# Altium PCB OpenRec.PcbDoc (part 2 of 4)
Units mm, origin at the board's own origin, x right, y up, seen from the top; angles counter-clockwise.
Board outline 70 x 95 mm, 10 copper layers (L1, L2, L3, L4 (PWR), L5 (PWR), L6 (PWR), L7 (PWR), L8, L9, L10), stack 1.632 mm thick; 1080 components, 708 nets, 3831 pads, 534 vias.
Unrouted connection lines stored in the file: 2907.
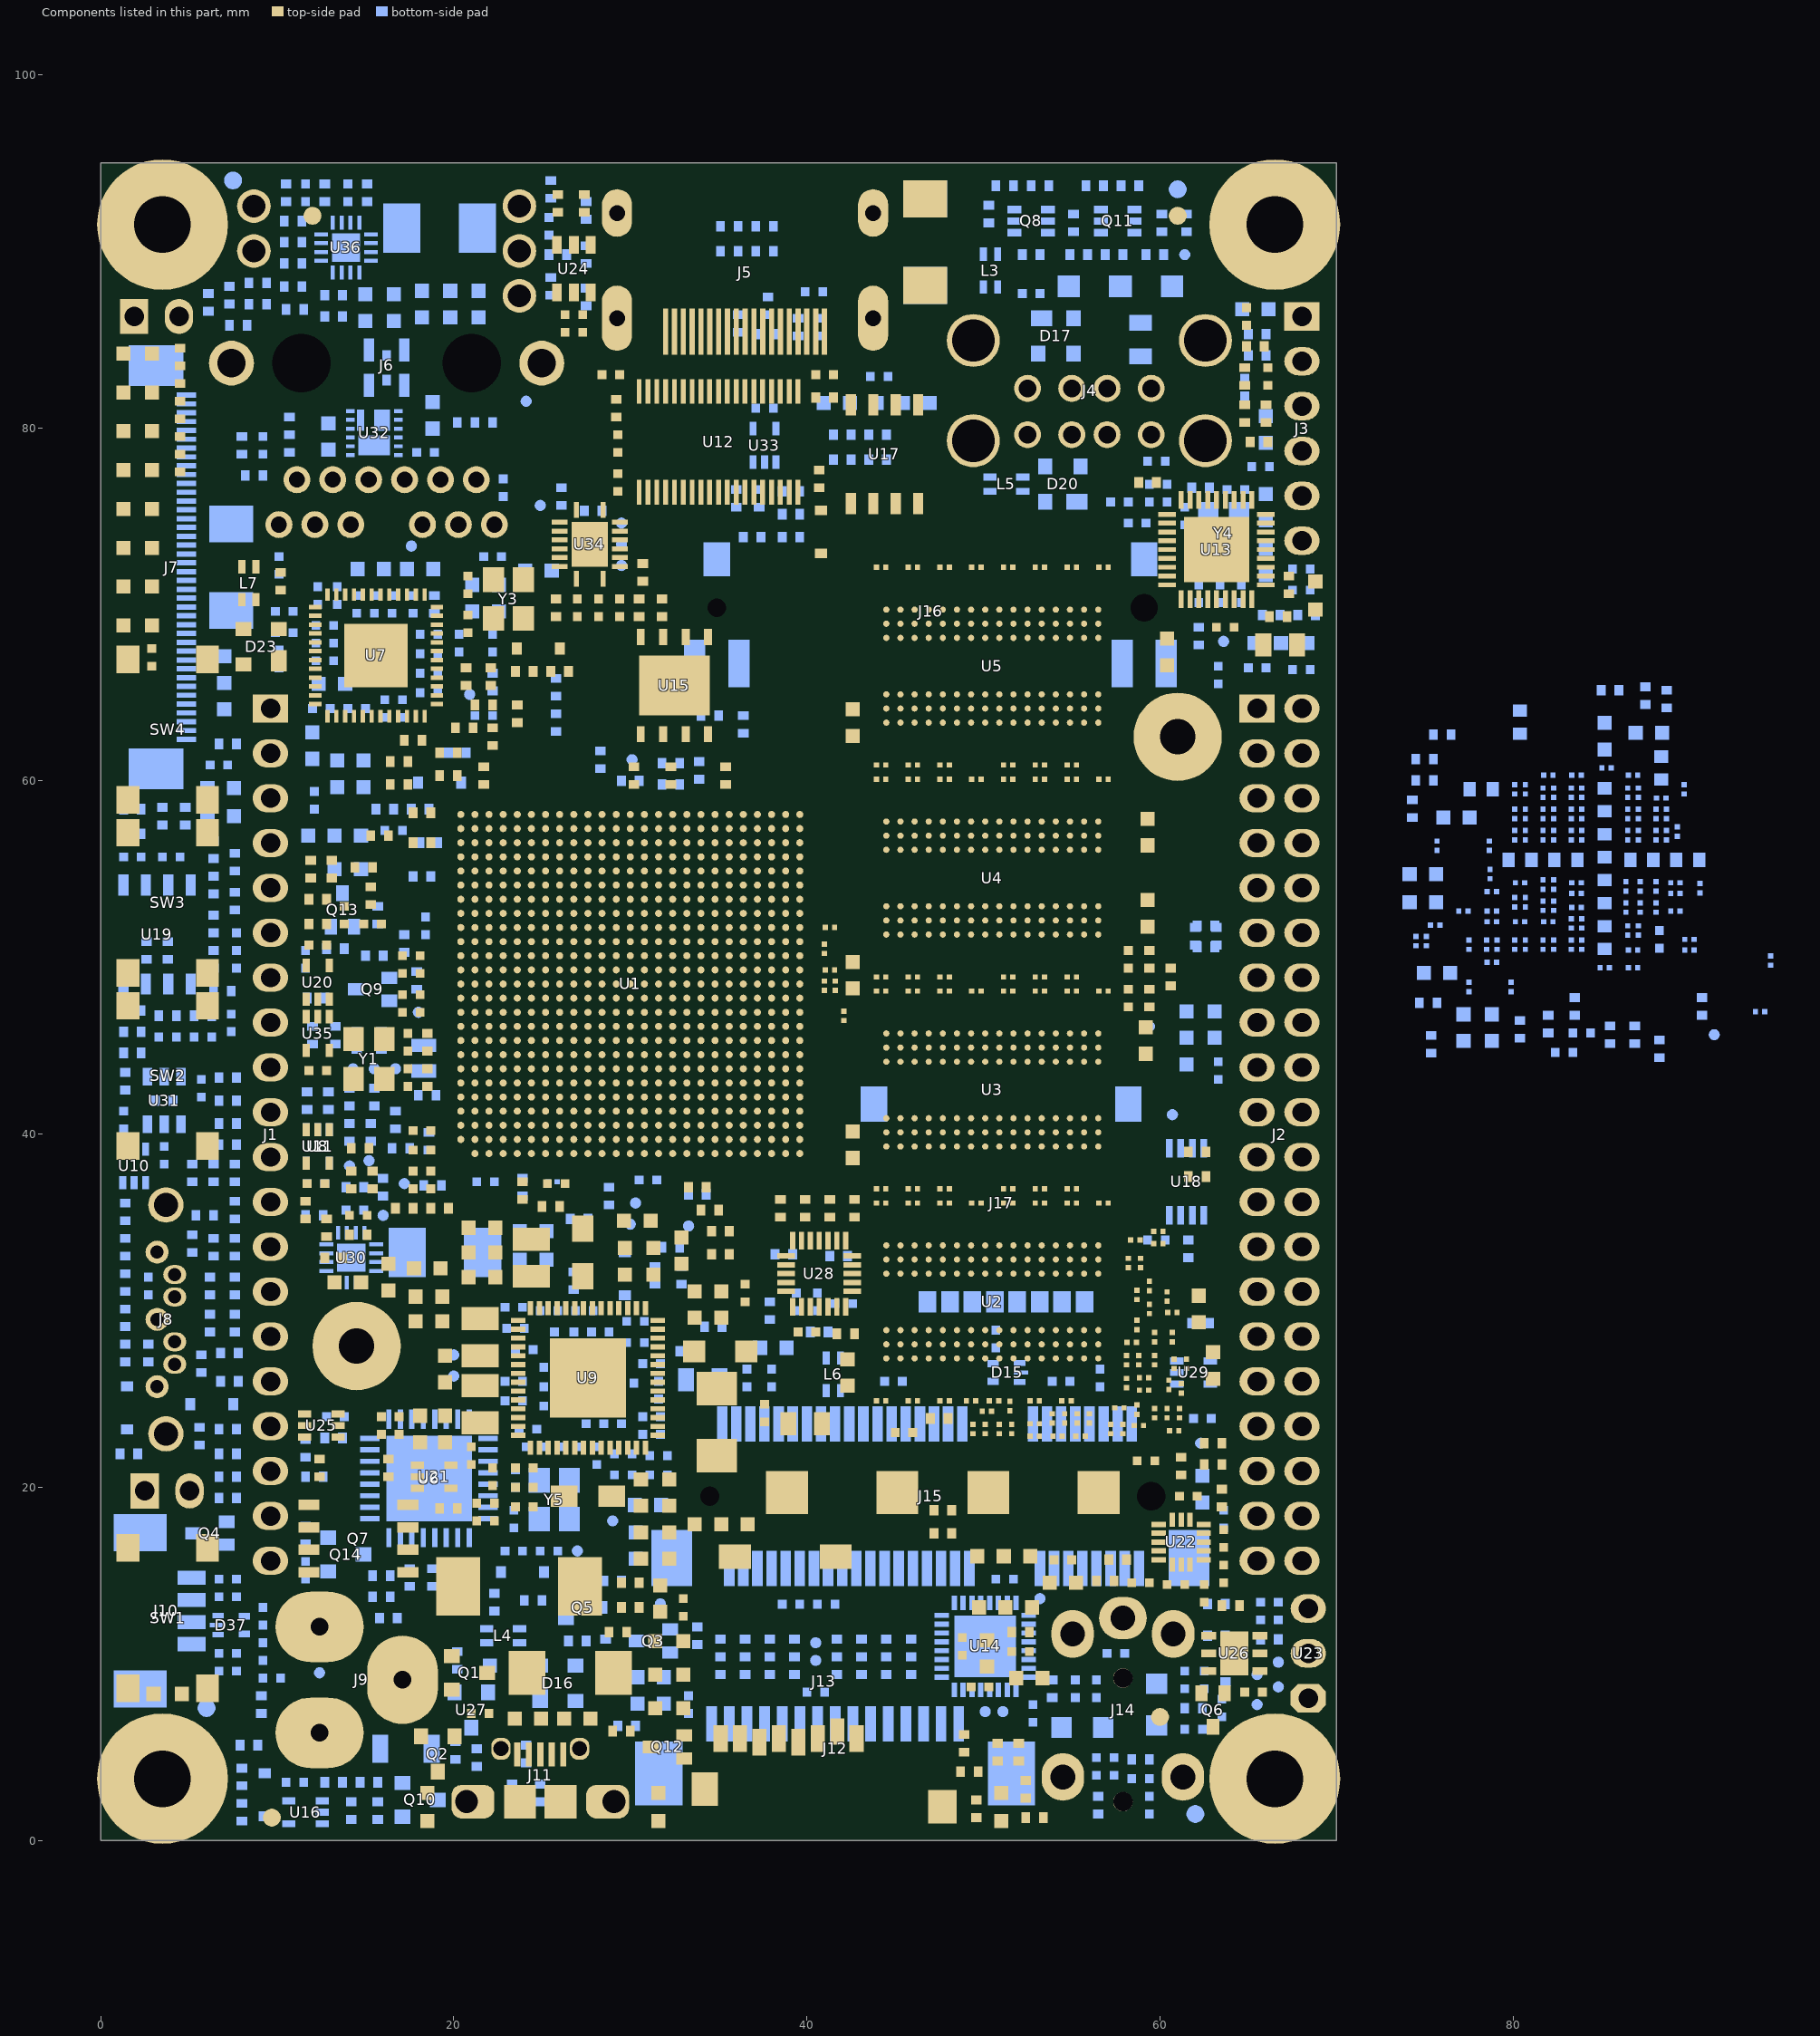
[diagram p4: the components of this part, seen from the top]

## Components (designator, comment, footprint, x,y, rotation, side; value= is the part's Value field where it differs from the comment) (continued)
C384 "100n" C0402 29.4,69.8 r90 top
C385 "100n" C0402 21,21.8 r90 top
C386 "100n" C0402 12.2,37.2 r180 top
C387 "4u7" C0402 63.6,18.2 r270 bottom
C388 "100n" C0402 58.9,14.6 r180 top
C389 "100n" C0402 62.5,14 r270 top
C390 "220n" C0402 63.6,17.1 r90 top
C391 "4u7" C0402 60.9,14.5 r180 top
C392 "100n" C0402 58.2,49.9 r270 top
C393 "100n" C0402 58.2,47.7 r270 top
C394 "1u" C0402 65.7,13 r90 bottom
C395 "100n" C0402 13.3,24 r180 bottom
C396 "10n" C0402 26.8,86.4 r0 top
C397 "4u7" C0402 1.8,55.7 r180 bottom
C398 "100n" C0402 63.6,15.1 r270 top
C399 "100n" C0402 61.6,19.5 r0 top
C400 "1u" C0402 39.4,30.5 r90 bottom
C401 "100n" C0402 40.6,30.5 r90 bottom
C402 "100n" C0402 42.1,30.4 r0 bottom
C403 "100n" C0402 40,28.8 r180 top
C404 "10n" C0402 36.5,31 r90 top
C405 "100n" C0402 62.4,23.9 r180 bottom
C406 "22u" C0603 14,31.6 r180 top
C407 "22u" C0603 16.3,31.9 r90 top
C408 "22u" C0603 24.5,32.9 r0 bottom
C409 "22u" C0603 24.5,34.5 r0 bottom
C410 "22pF" C0402 14.6,35.4 r0 top
C411 "220pF" C0402 14.4,35.7 r180 bottom
C412 "100n" C0402 5.7,42.6 r270 bottom
C413 "100n" C0402 1.3,40.8 r270 bottom
C414 "100n" C0402 37.6,81.1 r180 bottom
C415 "18p" C0402 61.4,75 r270 bottom
C416 "100n" C0402 64.9,86.3 r90 top
C417 "100n" C0402 28.2,69.8 r270 top
C418 "100n" C0402 27,69.8 r270 top
C419 "10u" C0603 14,55 r0 bottom
C420 "100n" C0402 10.1,66.9 r90 bottom
C421 "10uF / 16V" C0805 58.9,85 r270 bottom
C422 "100n" C0402 64.8,82.3 r90 bottom
C423 "100n" C0402 12.3,43.6 r180 top
C424 "22u" C0603 21.6,31.9 r180 top
C425 "22u" C0603 18.5,32.4 r180 top
C426 "22u" C0603 19.5,26.7 r90 top
C427 "22u" C0603 15,86.8 r270 bottom
C428 "22u" C0603 16.6,86.8 r270 bottom
C429 "22u" C0603 21.4,87 r270 bottom
C430 "22u" C0603 19.8,87 r270 bottom
C431 "22u" C0603 18.2,87 r270 bottom
C432 "22pF" C0402 14,93.3 r90 bottom
C433 "220pF" C0402 11.6,93.3 r270 bottom
C434 "22u / 10V" C0603 34.4,31.1 r180 top
C435 "100n" C0402 31.2,24 r180 bottom
C436 "2u2" C0402 31.2,23 r180 bottom
C437 "1u" C0402 24,20 r180 top
CR1 "Mini PCIe Card" "MINI_PCIE_FULL CARD" 32,19.5 r90 bottom
CR2 "Micro SD Card" MICRO_SD_CARD 42.9,13.25 r0 top
CR3 "Micro SIM Card" MICRO_SIM_CARD 44.5,30.8 r0 bottom
D1 "Red" LED_0603 2.1,84.2 r180 top
D2 "Red" LED_0603 2.1,82 r180 top
D3 "Red" LED_0603 2.1,79.8 r180 top
D4 "PGB1010603MR" C0603 66,79.9 r270 bottom
D5 "Red" LED_0603 2.1,75.4 r180 top
D6 "Red" LED_0603 2.1,73.2 r180 top
D7 "Red" LED_0603 2.1,71 r180 top
D8 "PGB1010603MR" C0603 66,75.5 r270 bottom
D9 "S8MC-13" SMC 23.7,14.4 r180 top locked
D10 "RB751V-40-TP" SOD323 24.8,67.5 r180 top
D11 "Green" LED_0603 32.2,11.3 r0 top
D12 "Orange" LED_0603 68.8,70.5 r270 top
D13 "BAT54HT1G" SOD323 40.8,74.1 r270 top
D14 "Orange" LED_0603 51,1.9 r270 top
D15 "BZA956A,115" SOT665 51.3,26.5 r180 bottom
D16 "BGX50AE6327" SOT143 25.9,8.9 r0 bottom
D17 "BGX50AE6327" SOT143 54.1,85.2 r270 bottom
D18 "MBR140SFT1G" SOD-123FL 35.1,27.7 r180 top
D19 "PGB1010603MR" C0603 27,6.9 r0 top
D20 "BGX50AE6327" SOT143 54.5,76.8 r90 bottom
D21 "Orange" LED_0603 31.6,1.9 r270 top
D22 "Green" LED_0603 3.8,8.3 r180 top
D23 "BGX50AE6327" SOT143 9.1,67.6 r180 top
D24 "Orange" LED_0603 18.5,1.9 r270 top
D25 "Green" LED_0603 32.2,9.4 r0 top
D26 "Green" LED_0603 32.2,7.5 r0 top
D27 "RB751V-40-TP" SOD323 9.3,2.6 r90 bottom
D28 "RB751V-40-TP" SOD323 29.7,32.1 r270 bottom
D29 "RB751V-40-TP" SOD323 6.3,24.7 r180 bottom
D30 "MBR140SFT1G" SOD-123FL 56.3,88 r180 bottom
D31 "PGB1010603MR" C0603 66,72.4 r270 bottom
D32 "PGB1010603MR" C0603 65.4,86.7 r180 bottom
D33 "Red" LED_0603 2.1,77.6 r180 top
D34 "Red" LED_0603 2.1,68.8 r180 top
D35 "RB751V-40-TP" SOD323 19.2,59.9 r0 bottom
D36 "RB751V-40-TP" SOD323 23.9,15.2 r0 bottom
D37 "BZA956A,115" SOT665 7.4,12.2 r0 bottom
D38 "MBR140SFT1G" SOD-123FL 59.2,88 r0 bottom
D39 "RB751V-40-TP" SOD323 1.5,24.5 r270 bottom
FB1 "220R, 2.5A" C0603 77.188,46.029 r90 bottom
FB2 "220R, 2.5A" C0603 22.8,9.9 r0 bottom
FB3 "BLM18KG101TN1D" C0603 12,62 r90 bottom
FB4 "BLM18KG101TN1D" C0603 18.1,72 r180 bottom
FB5 "BLM15AX601SN1D" C0402 22.2,67.8 r90 bottom
FB6 "BLM18KG101TN1D" C0603 13.4,60.4 r90 bottom
FB7 "BLM18KG101TN1D" C0603 24.8,71.9 r180 bottom
FB8 "BLM15AX300SN1D 30R / 1.1A" C0402 21.7,63.7 r180 bottom
FB9 "220R, 2.5A" C0603 54.5,14.6 r0 top
FB10 "220R, 2.5A" C0603 31,19 r180 bottom
FB11 "MPZ1608S601A 600OHM/1A" C0603 52,13.2 r0 top
FB12 "MPZ1608S601A 600OHM/1A" C0603 50.2,10.6 r90 top
FB13 "MPZ1608S601A 600OHM/1A" C0603 50.4,16.1 r180 top
FB14 "220R, 2.5A" C0603 30.4,8.5 r90 bottom
FB15 "120R, 1.3A" C0402 9.7,9.2 r0 bottom
FB16 "220R, 2.5A" C0603 6.8,58 r180 bottom
FB17 "220R, 2.5A" C0603 34.4,17.9 r0 top
FB18 "BLM15AX601SN1D" C0402 56.4,8.6 r90 bottom
FB19 "MPZ1608S601A 600OHM/1A" C0603 60.4,67.3 r90 top
FB20 "MPZ1608S601A 600OHM/1A" C0603 50.5,13.2 r0 top
FB21 "BLM15AX601SN1D" C0402 61.4,9.1 r90 bottom
FB22 "BLM15AX601SN1D" C0402 58.9,3.5 r0 bottom
FB23 "MPZ1608S601A 600OHM/1A" C0603 43.2,81.4 r180 bottom
FB24 "MPZ1608S601A 600OHM/1A" C0603 46.2,81.4 r0 bottom
FB25 "120R, 1.3A" C0402 7.7,10.1 r90 bottom
FB26 "MPZ1608S601A 600OHM/1A" C0603 51.9,16.1 r0 top
FB27 "120R, 1.3A" C0402 7.7,14.3 r270 bottom
FB28 "120R, 1.3A" C0402 11.6,15.3 r270 bottom
FB29 "BLM15AX601SN1D" C0402 25.4,16.4 r180 bottom
FB30 "BLM15AX601SN1D" C0402 23.4,16.4 r0 bottom
FB31 "220R, 2.5A" C0603 67.6,67.8 r0 bottom
FB32 "220R, 2.5A" C0603 66.1,67.8 r180 bottom
FB33 "MPZ1608S601A 600OHM/1A" C0603 62.4,19.9 r270 bottom
FB34 "220R, 2.5A" C0603 7,64.8 r270 bottom
FB35 "220R, 2.5A" C0603 7,66.3 r90 bottom
FB36 "MPZ1608S601A 600OHM/1A" C0603 38.1,27.9 r0 bottom
FB37 "220R, 2.5A" C0603 35.9,17.9 r180 top
FB38 "MPZ1608S601A 600OHM/1A" C0603 41.7,81.4 r0 bottom
FB39 "220R, 2.5A" C0603 61.5,46.2 r90 bottom
FB40 "220R, 2.5A" C0603 12.5,56.9 r180 bottom
FB41 "220R, 2.5A" C0603 61.5,44.7 r270 bottom
FB42 "220R, 2.5A" C0603 14,56.9 r0 bottom
FB43 "BLM15AX601SN1D" C0402 7.7,50.9 r270 bottom
FB44 "BLM15AX601SN1D" C0402 7.7,49.9 r90 bottom
FID1 "FID_1MM_SMALL" FID_40X52D#1 10,1 r0 top
FID2 "FID_1MM_SMALL" FID_40X52D#2 60,7 r90 top
FID3 "FID_1MM_SMALL" FID_40X52D#2 61,92 r90 top
FID4 "FID_1MM_SMALL" FID_40X52D#2 12,92 r90 top
FID5 "FID_1MM_SMALL" FID_40X52D#3 5.5,7.5 r90 bottom
FID6 "FID_1MM_SMALL" FID_40X52D#2 62,1.5 r90 bottom
FID7 "FID_1MM_SMALL" FID_40X52D#2 7.5,94 r90 bottom
FID8 "FID_1MM_SMALL" FID_40X52D#2 61,93.5 r90 bottom
J1 "ESQ-120-14-G-S" ESQ-120-14-G-S 9.62,64.1 r0 top locked
J2 "ESQ-120-14-G-D" ESQ-120-14-G-D 65.5,64.1 r180 bottom locked
J3 "HDR 1x6, 2.54mm" HDR_1X6_2.54MM 68.04,86.3 r0 top
J4 "5787617-1" USB-2A 56,82.1 r0 top locked
J5 "47151-0001" "HDMI V1.1" 36.5,88.8 r90 top locked
J6 "L829-1J1T-43" L829-1J1T-43 16.2,84.8 r0 top locked
J7 "4-1734592-0" 4-1734592-0 4,72.1 r90 bottom locked
J8 "0471554001" SATA_VERTICAL 3.2,25.7 r270 top locked
J9 "PJ-002AH" POWER_JACK_5.5_2.1MM_NS_V1.1 12.4,12.1 r180 top locked
J10 "0532610471" 0532610471 3.7,13 r180 bottom locked
J11 "USB MICRO AB" USB_MICRO_AB 24.9,2.2 r90 top locked
J12 "1-84952-5" ZIF_RA_BOTTOM_15X1MM 41.6,5.2 r180 bottom locked
J13 "693071010811" 693071010811 41,9 r180 top locked
J14 "FC68125" FC68125 57.9,12.6 r90 top locked
J15 "MM60-52B1-E1-R650" MINI_PCIE_52PIN_CARD_CON 59.5,19.5 r90 bottom locked
J16 "MM60-EZH059-B5-R650" MINI_PCIE_52PIN_CARD_LATCH 59.1,69.8 r90 bottom locked
J17 "693022010811" SIM_MICRO_HINGED 51,36.1 r180 bottom locked
JP1 "HDR 1x2" HDR_1X2_2.54MM 2.5,19.8 r90 top
JP2 "HDR 1x2" HDR_1X2_2.54MM 1.9,86.3 r90 top locked
L1 "1u / 3.9A" IHLP_118MILX144MIL 27.3,33.3 r90 top
L2 "1u / 3.9A" IHLP_118MILX144MIL 27.6,19.5 r0 top
L3 "ACM2012-900-2P-T002" ACM2012 50.4,88.9 r90 bottom
L4 "ACM2012-900-2P-T002" ACM2012 22.8,11.6 r180 bottom
L5 "ACM2012-900-2P-T002" ACM2012 51.3,76.8 r180 bottom
L6 "ACM2012-900-2P-T002" ACM2012 41.5,26.4 r90 bottom
L7 "ACM2012-900-2P-T002" ACM2012 8.4,71.2 r90 top
L8 "1u / 2.6A" IFSC_79MILX98MIL 24.4,33 r270 top
L9 "1u / 2.6A" IFSC_79MILX98MIL 21.5,28.5 r90 top
L10 "1u / 2.6A" IFSC_79MILX98MIL 21.5,24.7 r270 top
L11 "2u2 / 2.75A" IHLP_160MILX175MIL 34.9,23.7 r90 top
L12 "1u" IHLP_204MILX216MIL 19.5,33.3 r0 bottom locked
L13 "1u" IHLP_204MILX216MIL 19.2,91.3 r0 bottom
MH1 "MH_7.4MMC_3.2MMD" MH_7.4MMD_3.2MMD 3.5,3.5 r0 top locked
MH2 "MH_7.4MMC_3.2MMD" MH_7.4MMD_3.2MMD 66.5,3.5 r0 top locked
MH3 "MH_7.4MMC_3.2MMD" MH_7.4MMD_3.2MMD 66.5,91.5 r0 top locked
MH4 "MH_7.4MMC_3.2MMD" MH_7.4MMD_3.2MMD 3.5,91.5 r0 top locked
MH5 "MH_5MMC_2MMD" MH_5MMD_2MMD 14.5,28 r0 top locked
MH6 "MH_5MMC_2MMD" MH_5MMD_2MMD 61,62.5 r0 top locked
Q1 "DMP2035U-7" SOT-23-3-123 20.9,9.5 r0 top
Q2 "DMP2035U-7" SOT-23-3-123 19.1,4.9 r270 top
Q3 "2N7002BKW,115" SC70_SOT323 31.3,11.3 r180 bottom
Q4 "2N7002BKW,115" SC70_SOT323 6.2,17.4 r180 bottom
Q5 "2N7002BKW,115" SC70_SOT323 27.3,13.2 r0 bottom
Q6 "2N7002BKW,115" SC70_SOT323 63,7.4 r270 top
Q7 "SI4425BDY-T1-E3" 8_SOIC_3.9MM 14.6,17.1 r0 top
Q8 "2N7002BKS,115" SOT363 52.7,91.7 r0 bottom
Q9 "2N7002BKW,115" SC70_SOT323 15.4,48.2 r180 bottom
Q10 "MMBT3906,215" SOT-23-3-123 18.1,2.3 r0 bottom
Q11 "2N7002BKS,115" SOT363 57.6,91.7 r0 bottom
Q12 "2N7002BKW,115" SC70_SOT323 32.1,5.3 r180 top
Q13 "2N7002BKW,115" SC70_SOT323 13.7,52.7 r90 bottom
Q14 "MMBT3906,215" SOT-23-3-123 13.9,16.2 r0 bottom
R1 "47R" R0201 60.4,24.2 r270 top
R2 "47R" R0201 57.9,23.3 r90 top
R3 "47R" R0201 60.7,28.5 r270 top
R4 "240R" R0201 49.6,36.1 r0 top
R5 "240R" R0201 49.6,48.1 r0 top
R6 "10k" R0201 90.588,53.929 r90 bottom
R7 "10k" R0201 94.588,49.829 r270 bottom
R8 "240R" R0201 49.6,60.1 r0 top
R9 "240R" R0201 49.6,72.1 r0 top
R10 "240R" R0201 41.3,51.7 r0 top
R11 "47R" R0201 56,23.9 r270 top
R12 "47R" R0201 59.7,28.5 r270 top
R13 "0R" R0402 23.9,37 r90 bottom
R14 "0R" R0402 75.188,47.429 r0 bottom
R15 "10k" R0402 32.3,61 r0 bottom
R16 "49R9" R0402 19.2,35.8 r180 top
R17 "49R9" R0402 17.2,35.8 r0 top
R18 "0R" R0402 80.388,45.929 r90 bottom
R19 "0R" R0402 74.288,58.429 r270 bottom
R20 "2M2" R0402 18.5,45.2 r90 top
R21 "47k" R0402 39.1,73.8 r0 bottom
R22 "47R" R0201 59.7,24.2 r270 top
R23 "1k6" R0402 36,76 r90 bottom
R24 "0R" R0402 25.5,35.9 r0 top
R25 "0R" R0402 35.1,33.2 r180 top
R26 "0R" R0402 23.9,36.8 r270 top
R27 "0R" R0402 83.488,47.229 r90 bottom
R28 "4k99" R0402 37.9,30 r270 bottom
R29 "0R" R0402 85.488,45.629 r90 bottom
R30 "1k" R0402 20.7,65.9 r90 top
R31 "47R" R0201 59.1,26.2 r180 top
R32 "1k6" R0201 25.6,37.3 r0 bottom
R33 "0R" R0402 39.3,9.9 r90 bottom
R34 "47R" R0201 52.9,23.6 r0 top
R35 "22R" R0402 75.988,62.629 r180 bottom
R36 "0R" R0402 90.688,47.229 r90 bottom
R37 "200R" R0402 75.362,45.093 r90 bottom
R38 "47R" R0201 58.7,24.4 r270 top
R39 "47R" R0201 57.2,23.3 r90 top
R40 "47R" R0201 61.2,25.6 r90 top
R41 "0R" R0402 2.6,50.4 r270 bottom
R42 "47R" R0201 52.9,22.9 r0 top
R43 "22R" R0402 21.7,60.3 r90 top
R44 "47R" R0201 59.7,27.2 r90 top
R45 "47R" R0201 51.5,24.6 r270 top
R46 "0R" R0402 29.2,81.1 r90 top
R47 "15k" R0402 41,81.7 r180 top
R48 "10k" R0402 13.3,45.6 r90 bottom
R49 "10k" R0402 15.4,37.4 r270 top
R50 "47R" R0201 59.4,31.4 r270 top
R51 "0R" R0402 14.7,39.2 r180 top
R52 "10k" R0402 48.9,5.5 r270 top
R53 "10k" R0402 49.2,3.9 r180 top
R54 "10k" R0402 50.8,5 r90 top
R55 "4k99" R0201 78.788,53.729 r0 bottom
R56 "4k99" R0201 77.188,52.629 r0 bottom
R57 "10k" R0402 32.3,59.8 r180 bottom
R58 "10k" R0402 15.9,45.3 r270 bottom
R59 "10k" R0402 1.4,33.6 r90 bottom
R60 "0R" R0402 51.2,93.7 r180 bottom
R61 "1k" R0201 79.888,48.329 r90 bottom
R62 "10k" R0402 16,37 r270 bottom
R63 "10k" R0402 18.6,39.6 r270 bottom
R64 "10k" R0402 17,39.2 r0 bottom
R65 "0R" R0402 39.3,10.9 r270 bottom
R66 "47R" R0201 59.1,25.5 r180 top
R67 "0R" R0402 47.7,18.7 r180 top
R68 "10k" R0402 11.7,41.9 r90 bottom
R69 "10k" R0402 12.9,41.9 r90 bottom
R70 "0R" R0402 14.2,37.4 r90 top
R71 "0R" R0402 37.9,9.9 r90 bottom
R72 "47R" R0201 58.7,30.9 r270 top
R73 "100k" R0402 7.3,26 r180 bottom
R74 "0R" R0402 88.688,64.629 r90 bottom
R75 "10k" R0402 24,66.2 r180 top
R76 "0R" R0402 86.888,45.629 r270 bottom
R77 "47R" R0201 51.6,23.3 r90 top
R78 "0R" R0402 81.988,46.229 r270 bottom
R79 "47R" R0201 59.9,33.8 r180 top
R80 "0R" R0402 18.6,56.5 r180 bottom
R81 "220R" R0402 8,79 r90 bottom
R82 "220R" R0402 25.9,89.8 r0 bottom
R83 "22R" R0402 19.7,61.6 r180 top
R84 "12k1" R0402 18.9,70 r270 bottom
R85 "22R" R0402 20.6,63 r180 top
R86 "22R" R0402 21.7,64.3 r180 top
R87 "4k99" R0402 22.2,62.5 r90 top
R88 "0R" R0402 34.5,63.7 r180 bottom
R89 "4k99" R0402 22.2,65.6 r90 bottom
R90 "22R" R0402 16.7,40.8 r90 bottom
R91 "10k" R0402 18.2,56.5 r180 top
R92 "22R" R0402 18.8,37.1 r180 bottom
R93 "0R" R0402 14.1,42.1 r270 bottom
R94 "10k" R0402 10.2,71.3 r270 top
R95 "10k" R0402 19.7,60.3 r180 top
R96 "10k" R0402 16.9,59.8 r180 top
R97 "10k" R0402 18.2,58.2 r180 top
R98 "10k" R0402 16.9,61.1 r180 top
R99 "191R" R0201 75.688,56.329 r270 bottom
R100 "1k, 1206, 0.5W" R1206 17.3,5.2 r180 bottom
R101 "1k" R0402 17.7,62.3 r0 top
R102 "1k" R0402 8.7,77.3 r180 bottom
R103 "47R" R0201 55.3,23.9 r270 top
R104 "0R" R0402 47.7,17.4 r0 top
R105 "47R" R0201 60.7,29.9 r180 top
R106 "47R" R0201 60.5,25.8 r90 top
R107 "47R" R0201 58.9,32.7 r90 top
R108 "47R" R0201 59.9,34.5 r180 top
R109 "10k" R0402 31.8,69.8 r270 top
R110 "10k" R0402 61.2,21.2 r270 top
R111 "47R" R0201 58.1,25.9 r90 top
R112 "49R9" R0201 50.1,23.3 r270 top
R113 "49R9" R0201 41.6,48.4 r90 top
R114 "10k" R0402 62.1,37.6 r0 top
R115 "10k" R0402 62.1,39 r0 top
R116 "10k" R0402 33.8,36.6 r0 bottom
R117 "0R" R0402 3.8,50.4 r270 bottom
R118 "47k" R0402 39.1,75.1 r0 bottom
R119 "0R" R0402 37.9,10.9 r270 bottom
R120 "0R" R0402 36.5,9.9 r90 bottom
R121 "0R" R0402 36.5,10.9 r270 bottom
R122 "0R" R0402 35.1,9.9 r90 bottom
R123 "0R" R0402 35.1,10.9 r270 bottom
R124 "22R" R0402 28.8,36.5 r270 bottom
R125 "0R" R0402 43.1,9.9 r90 bottom
R126 "0R" R0402 43.1,10.9 r270 bottom
R127 "0R" R0402 41.7,9.9 r90 bottom
R128 "0R" R0402 41.7,10.9 r270 bottom
R129 "0R" R0402 45.9,9.9 r90 bottom
R130 "22R" R0402 35.4,60.3 r90 top
R131 "22R" R0402 30.2,60.3 r90 top
R132 "4k99" R0402 38.7,33.2 r180 bottom
R133 "4k99" R0402 27.5,87.4 r90 bottom
R134 "4k99" R0402 27.5,89.8 r270 bottom
R135 "0R" R0402 45.9,10.9 r270 bottom
R136 "0R" R0402 44.5,9.9 r90 bottom
R137 "4k99" R0402 8.9,88.2 r180 bottom
R138 "0R" R0402 44.5,10.9 r270 bottom
R139 "0R" R0402 34.5,35.7 r180 top
R140 "10k" R0402 2.7,27.6 r90 bottom
R141 "33R" R0402 1.4,29.6 r270 bottom
R142 "4k99" R0402 7.3,87.5 r90 bottom
R143 "10k" R0402 18.2,54.6 r180 bottom
R144 "10k" R0402 11.6,35.7 r90 top
R145 "1k5" R0402 4.5,84 r90 top
R146 "240R" R0402 29.5,6.2 r0 top
R147 "10k" R0402 16.1,58.4 r180 bottom
R148 "4k99" R0402 5.2,33.8 r90 bottom
R149 "33R" R0402 18.1,58.4 r180 bottom
R150 "10k" R0402 29.8,6.5 r0 bottom
R151 "10k" R0402 33.8,37 r180 top
R152 "22R" R0402 74.988,60.029 r180 bottom
R153 "22R" R0402 74.988,61.229 r180 bottom
R154 "0R" R0402 52.4,2.9 r270 top
R155 "0R" R0402 13.2,3.3 r180 bottom
R156 "0R" R0402 52,5 r270 top
R157 "4k99" R0402 36.9,73.8 r0 bottom
R158 "0R" R0402 14.1,40.1 r90 bottom
R159 "10k" R0402 87.488,64.829 r90 bottom
R160 "6k04" R0201 77.488,48.329 r270 bottom
R161 "22R" R0402 18.5,42.2 r180 bottom
R162 "1k" R0402 23.6,63.8 r270 top
R163 "10k" R0402 33.9,60.6 r270 bottom
R164 "10k" R0402 85.488,65.129 r0 bottom
R165 "1k5" R0402 4.5,82 r270 top
R166 "10k" R0402 30,60 r0 bottom
R167 "10M" R0402 18.5,43.2 r270 top
R168 "10M" R0201 74.488,50.929 r90 bottom
R169 "0R" R0402 64.8,80.8 r90 top
R170 "0R" R0402 47.5,23.9 r180 top
R171 "4k99" R0402 17.2,50.8 r90 bottom
R172 "4k99" R0402 14.5,45.3 r90 bottom
R173 "10k" R0402 15.5,50.1 r0 bottom
R174 "10k" R0402 8,1.6 r90 bottom
R175 "10k" R0402 17.9,48.7 r90 bottom
R176 "1k5" R0402 4.5,80 r270 top
R177 "0R" R0402 5.2,37.8 r270 bottom
R178 "0R" R0402 25.8,65.3 r90 bottom
R179 "0R" R0402 25.8,63.3 r270 bottom
R180 "0R" R0402 26,66.2 r0 top
R181 "22R" R0402 22.1,65.9 r270 top
R182 "0R" R0402 37.8,86.9 r270 bottom
R183 "0R" R0402 37.8,85.3 r180 bottom
R184 "0R" R0402 39.5,85.7 r270 bottom
R185 "240R" R0402 49.6,1.8 r270 top
R186 "240R" R0402 24.9,2.7 r90 bottom
R187 "4k99" R0402 40.8,85.7 r90 bottom
R188 "4k99" R0402 36.1,85.9 r90 bottom
R189 "1k5" R0402 4.5,78 r90 top
R190 "27k" R0402 40.7,77.1 r90 top
R191 "10k" R0402 52.9,1.3 r180 top
R192 "1k5" R0402 15.3,53.5 r270 top
R193 "1k5" R0402 14.9,55.1 r0 top
R194 "0R" R0402 16.7,82.7 r180 bottom
R195 "0R" R0402 8.9,87 r0 bottom
R196 "0R" R0402 6.1,87.1 r90 bottom
R197 "10k" R0402 35.1,34.5 r0 top
R198 "10k" R0402 24.1,4.9 r90 bottom
R199 "10k" R0402 23.3,2.7 r90 bottom
R200 "1k5" R0402 4.8,58 r270 bottom
R201 "10k" R0402 33.8,11.6 r270 bottom
R202 "1k5" R0402 3.5,58 r270 bottom
R203 "100k" R0402 7.2,19.4 r180 bottom
R204 "0R" R0402 28.6,10.9 r270 bottom
R205 "4k99" R0402 6.2,31.4 r270 bottom
R206 "22R" R0402 88.288,44.829 r270 bottom
R207 "0R" R0402 15.7,82.7 r180 bottom
R208 "10k" R0402 7.2,40.6 r180 bottom
R209 "10k" R0402 5.9,35.4 r180 bottom
R210 "10k" R0402 7.2,41.9 r0 bottom
R211 "10k" R0402 6.4,33.6 r90 bottom
R212 "10k" R0402 15.8,56.9 r180 top
R213 "10k" R0402 27,11.3 r180 bottom
R214 "100k" R0402 8,3.6 r90 bottom
R215 "100k" R0402 66,80.8 r270 top
R216 "100k" R0402 65.6,79.2 r180 top
R217 "100k" R0402 64.8,82.9 r270 top
R218 "0R" R0402 65.4,84.6 r180 top
R219 "1k" R0402 65.5,84.1 r180 bottom
R220 "100k" R0402 60.1,91.6 r270 bottom
R221 "100k" R0402 61.5,91.6 r270 bottom
R222 "12k" R0402 59.3,76.9 r180 top
R223 "100k" R0402 65.5,85.3 r180 bottom
R224 "100k" R0402 68.3,69.4 r180 bottom
R225 "10k" R0402 15.3,40.1 r90 bottom
R226 "240R" R0402 66.2,11.4 r0 bottom
R227 "0R" R0402 7.2,43.2 r180 bottom
R228 "0R" R0402 7.6,33.6 r90 bottom
R229 "10k" R0402 6.4,37.8 r270 bottom
R230 "15k" R0402 61.9,7.5 r0 bottom
R231 "15k" R0402 58.9,4.6 r180 bottom
R232 "33R" R0402 63.7,9.5 r270 bottom
R233 "33R" R0402 56.5,2 r90 bottom
R234 "0R" R0402 52.1,11.8 r180 top
R235 "2k2" R0402 53.9,8.6 r90 bottom
R236 "0R" R0402 31.4,32 r270 bottom
R237 "47k" R0402 24.5,13.6 r180 bottom
R238 "0R" R0402 63.2,13.4 r180 bottom
R239 "100k" R0402 7.2,21.9 r0 bottom